# Altium PCB COEX PDB PCB.PcbDoc
Units mm, origin at the board's own origin, x right, y up, seen from the top; angles counter-clockwise.
Board outline 35 x 35.01 mm, 4 copper layers (Top L, IL1, IL2, Bot. L), stack 1.131 mm thick; 46 components, 12 nets, 146 pads, 526 vias.
Unrouted connection lines stored in the file: 8.
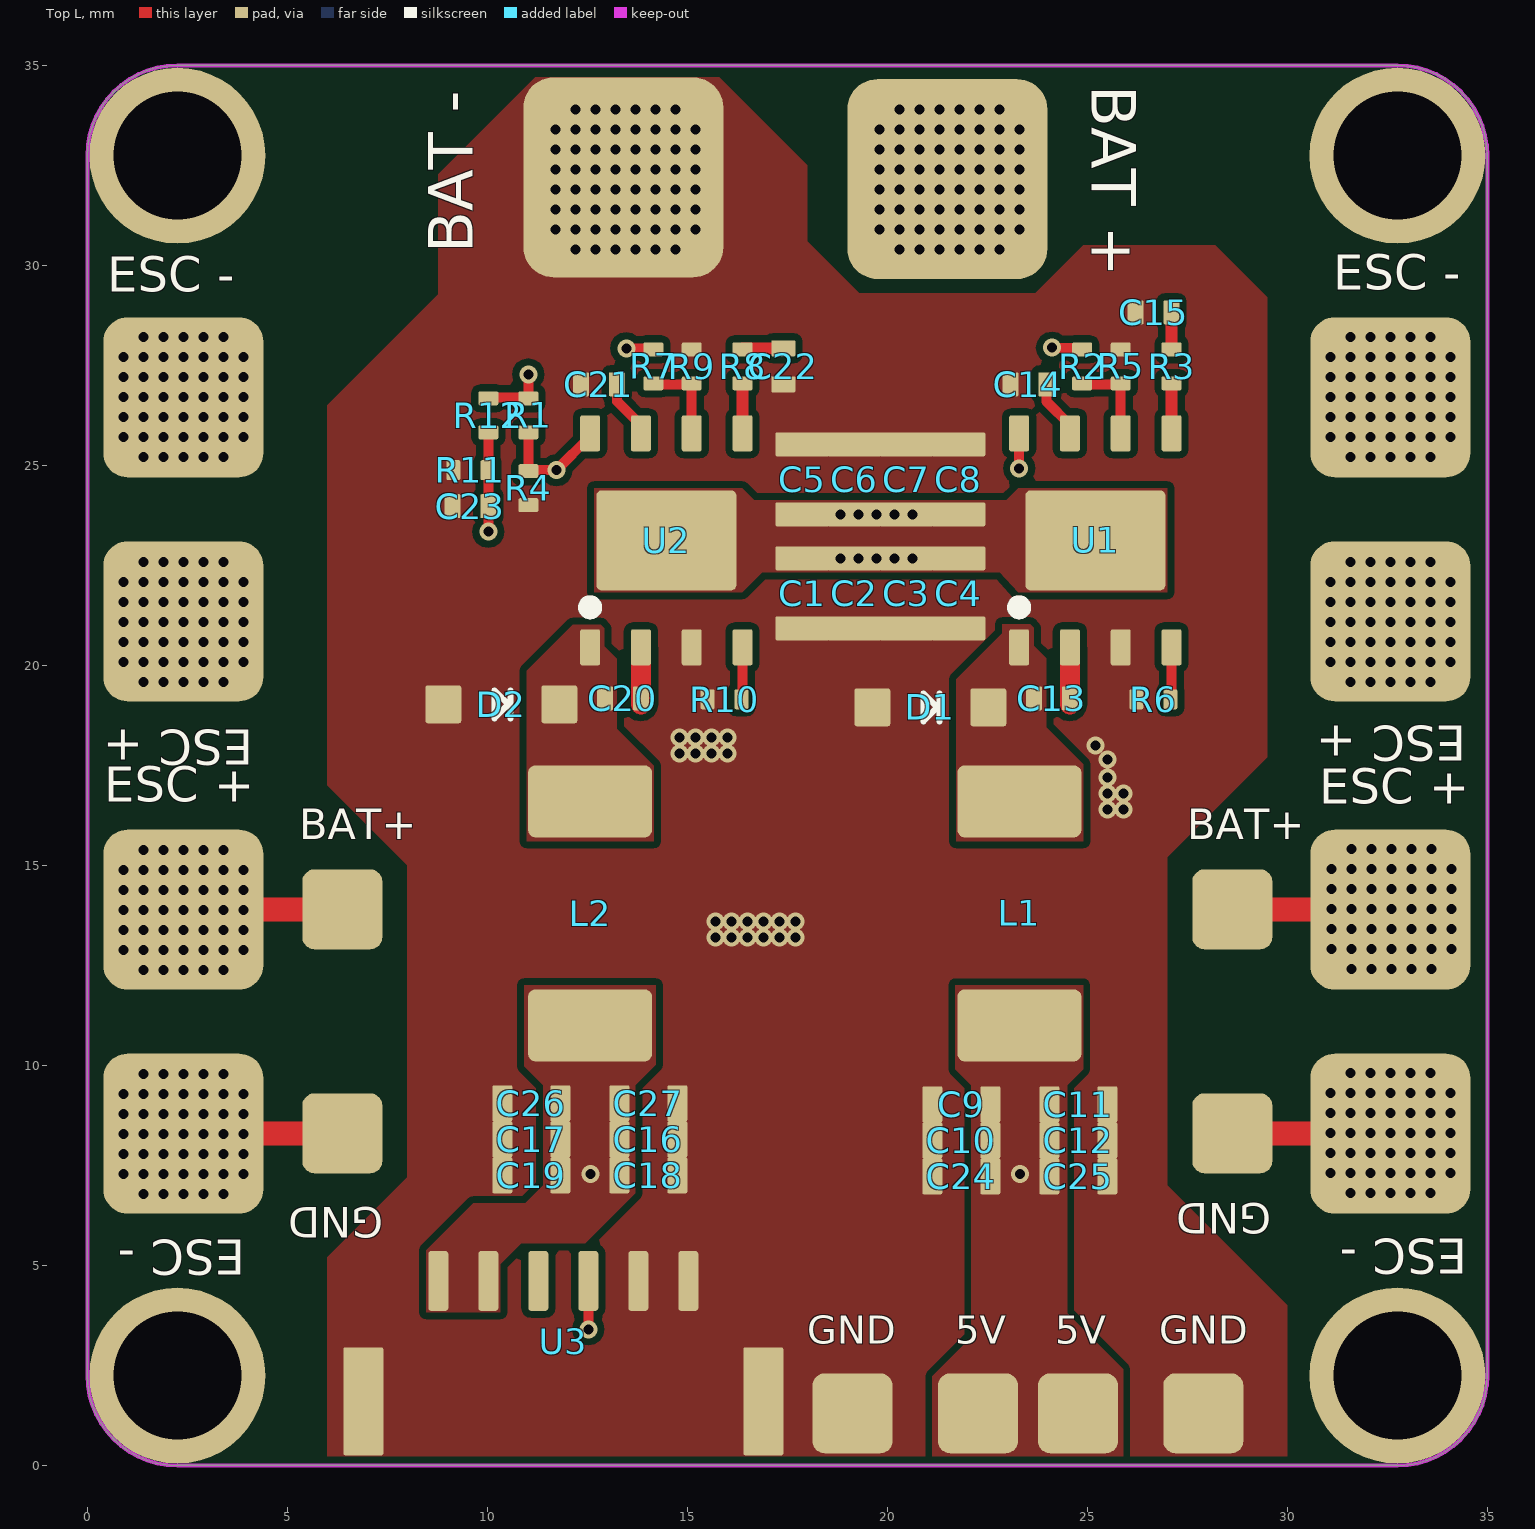
[diagram p0: Top L view]
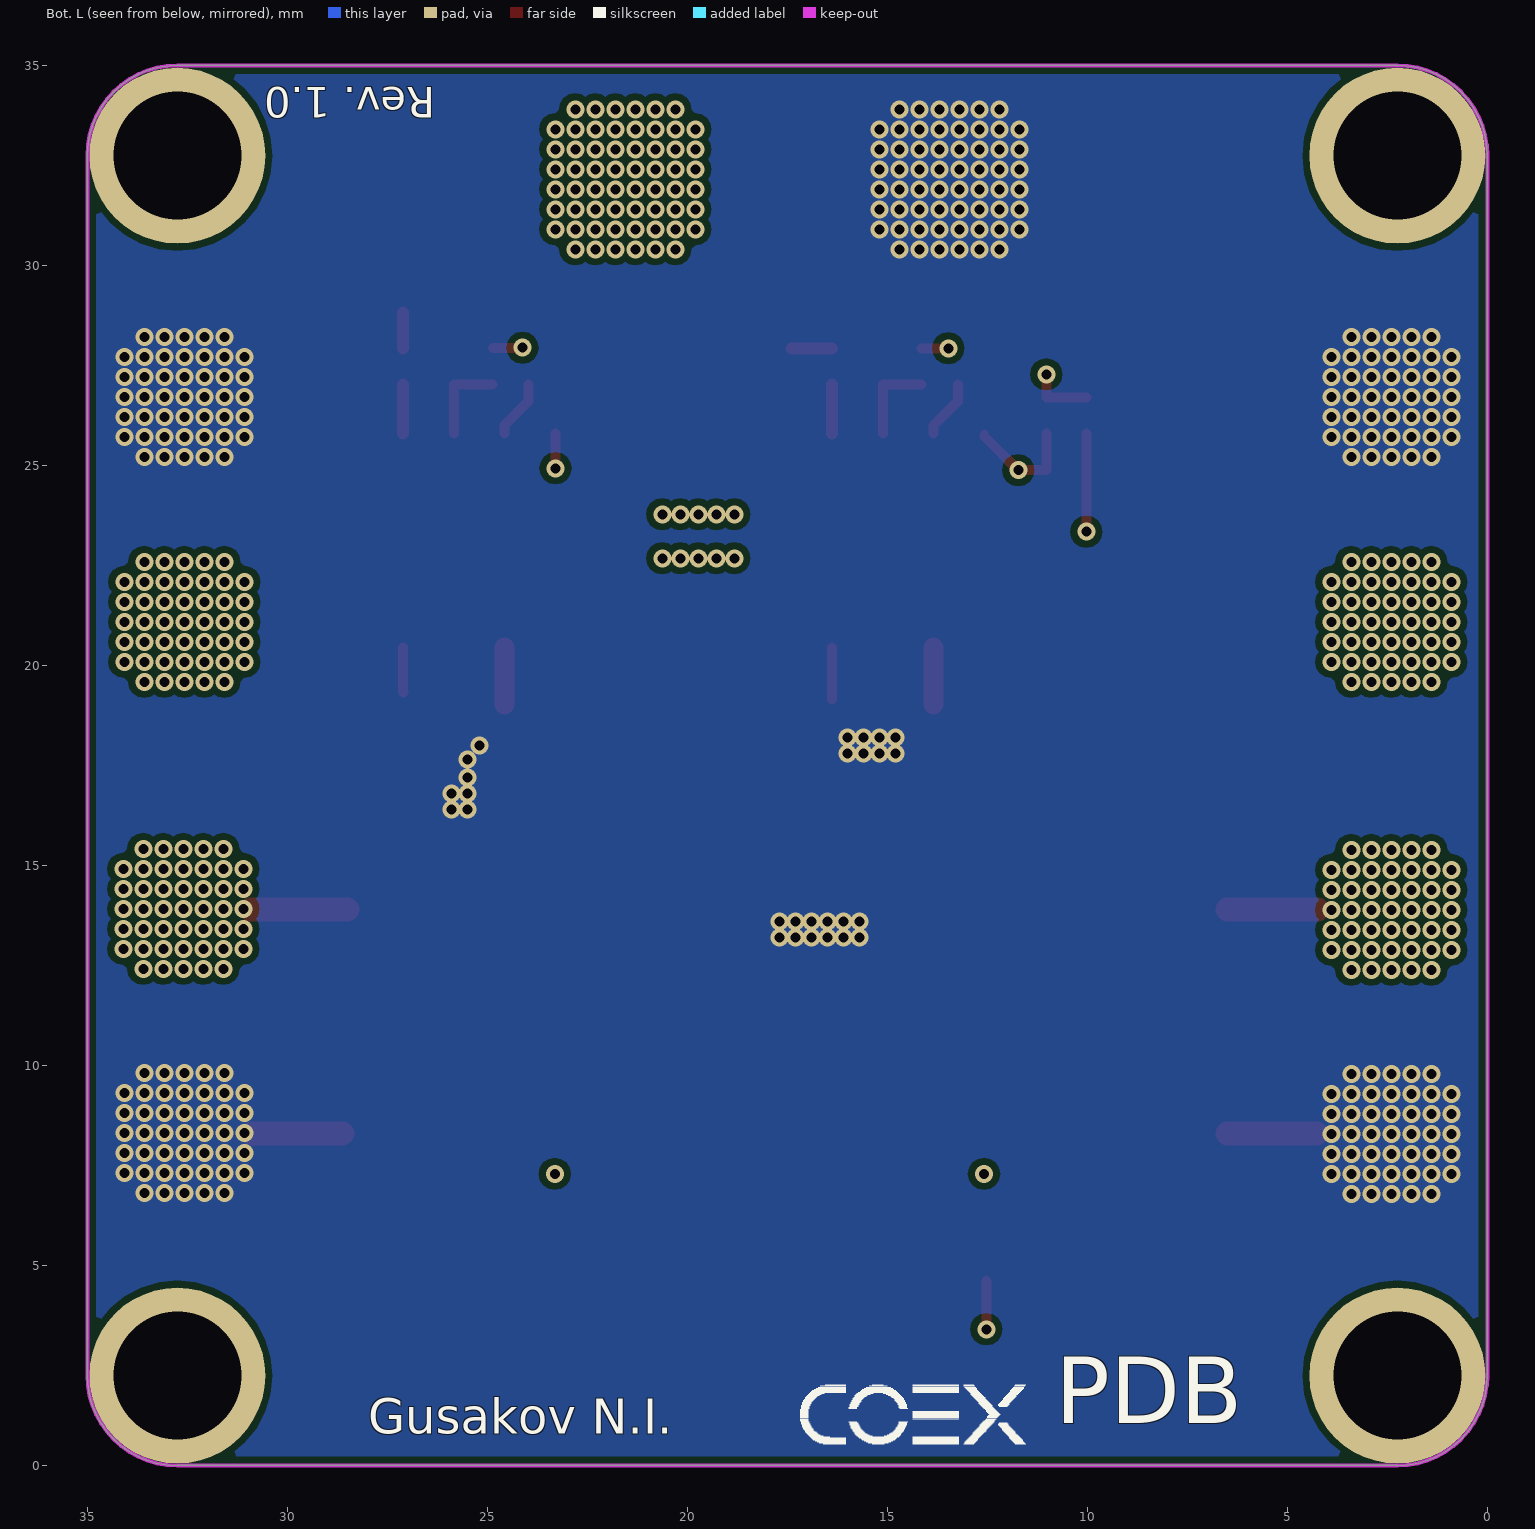
[diagram p1: Bot. L view, seen from below]
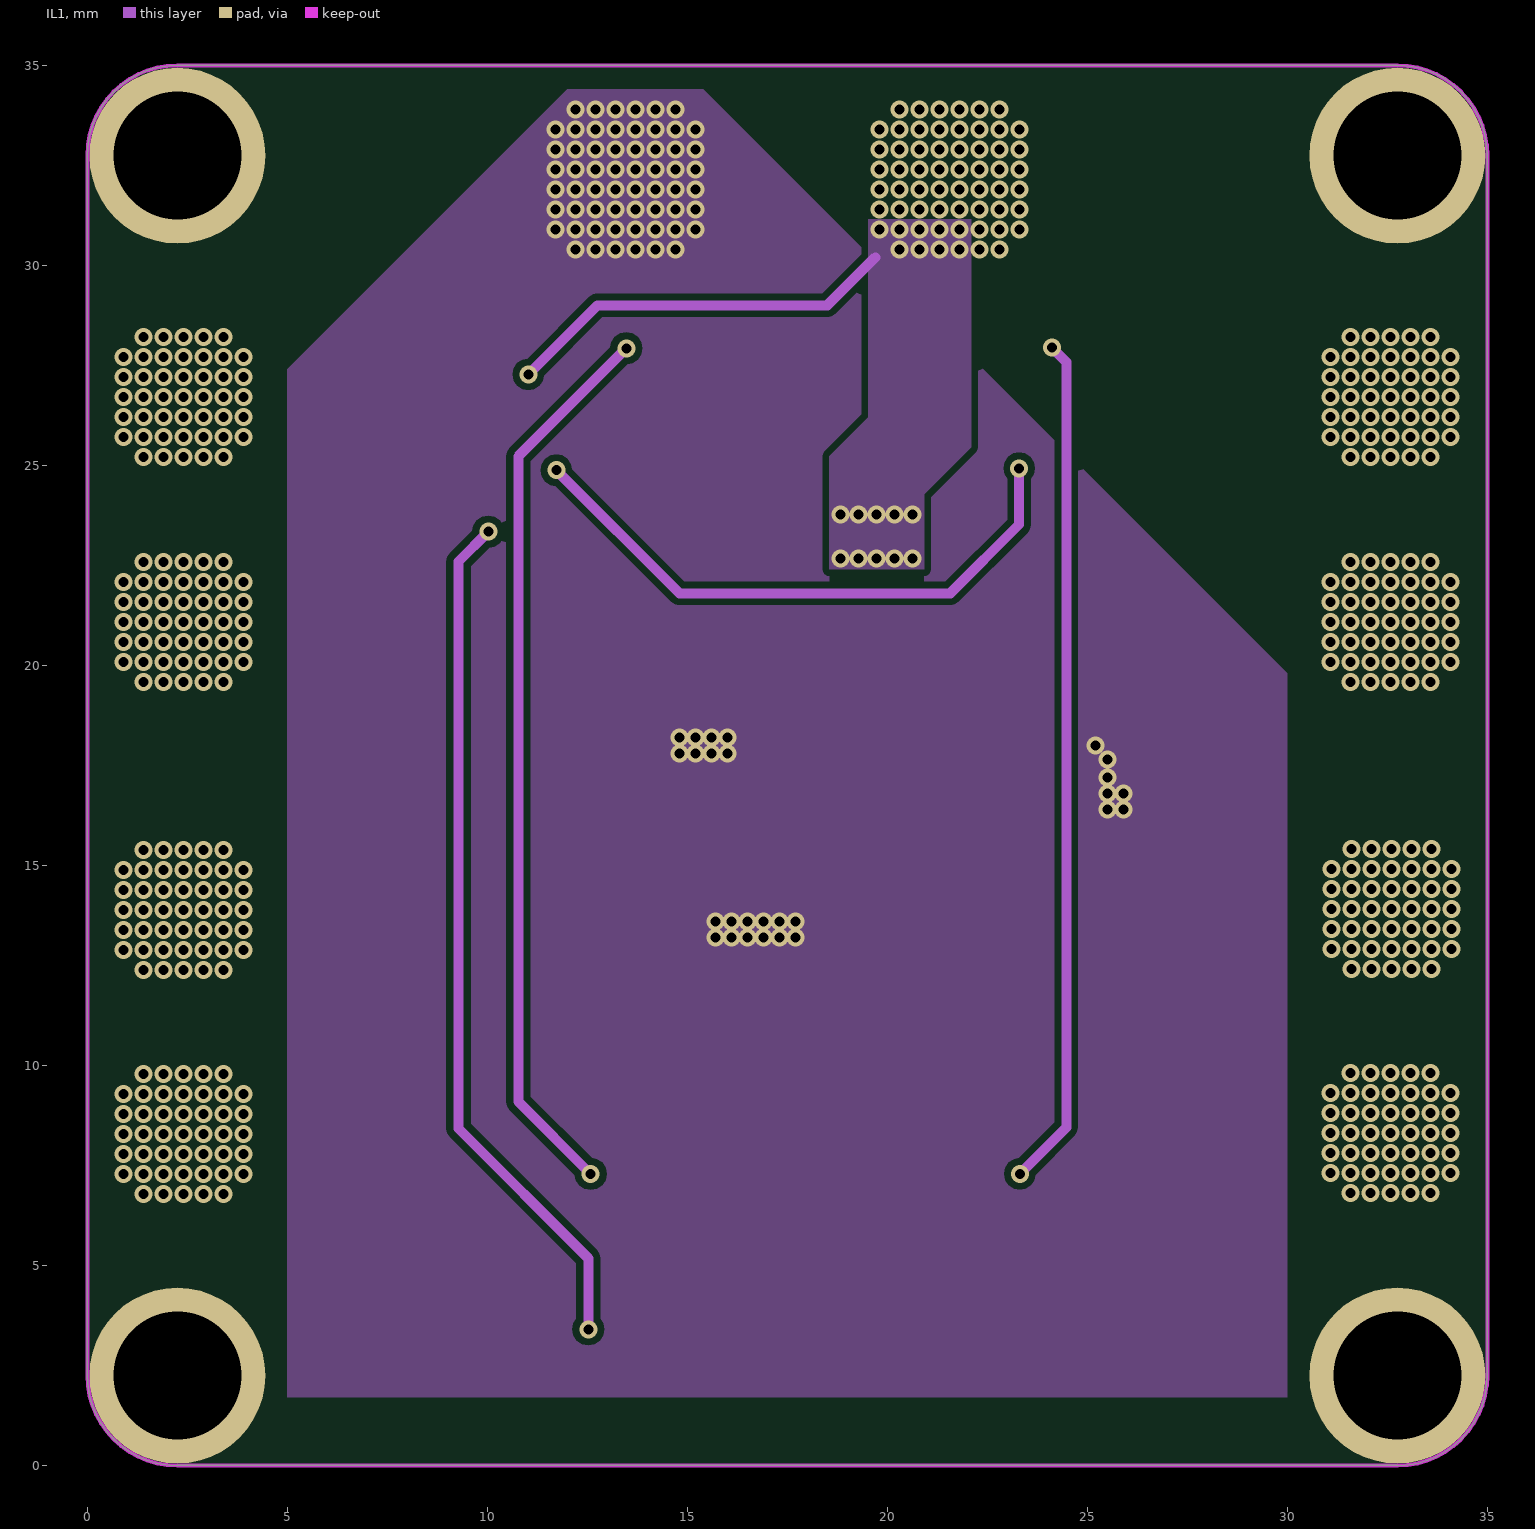
[diagram p2: IL1]
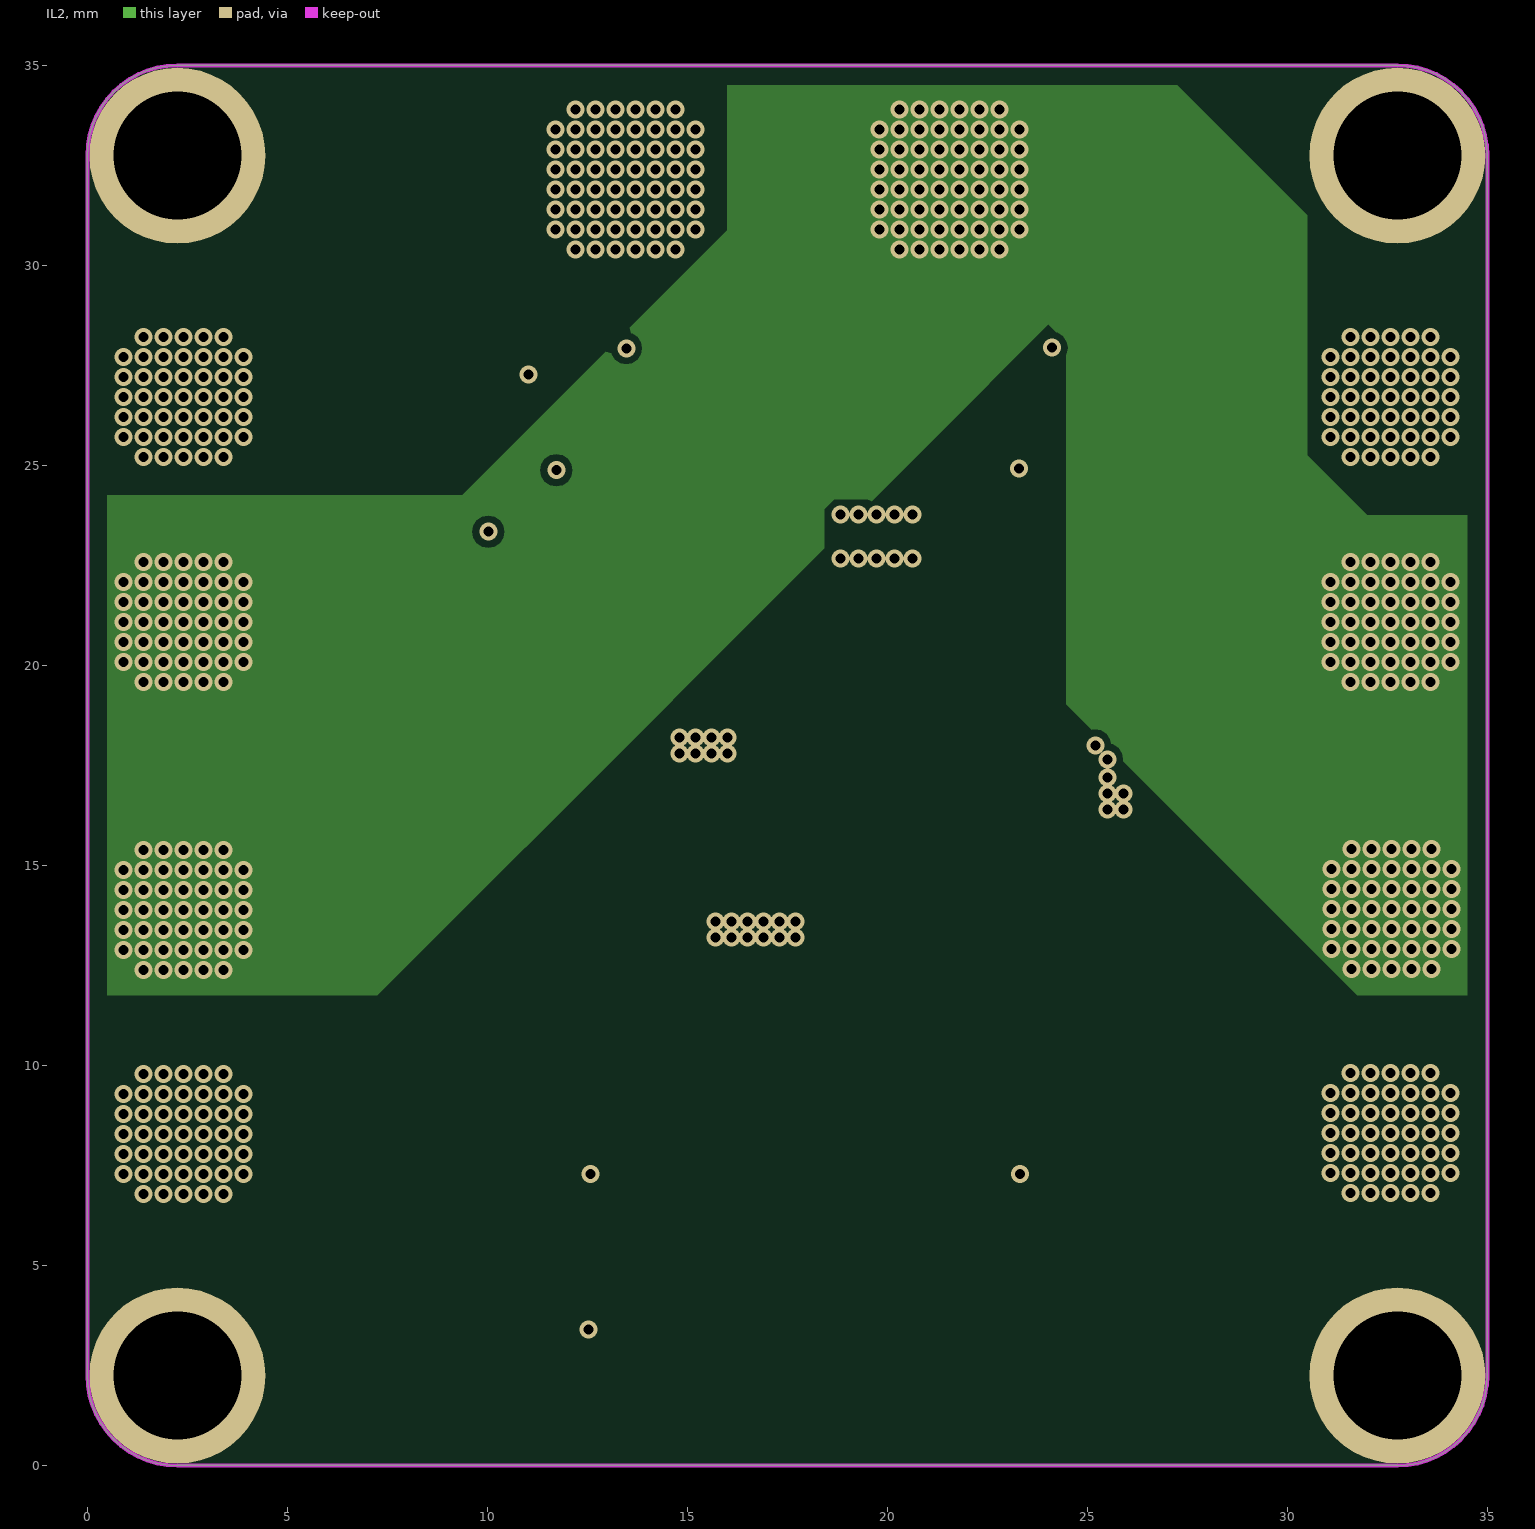
[diagram p3: IL2]
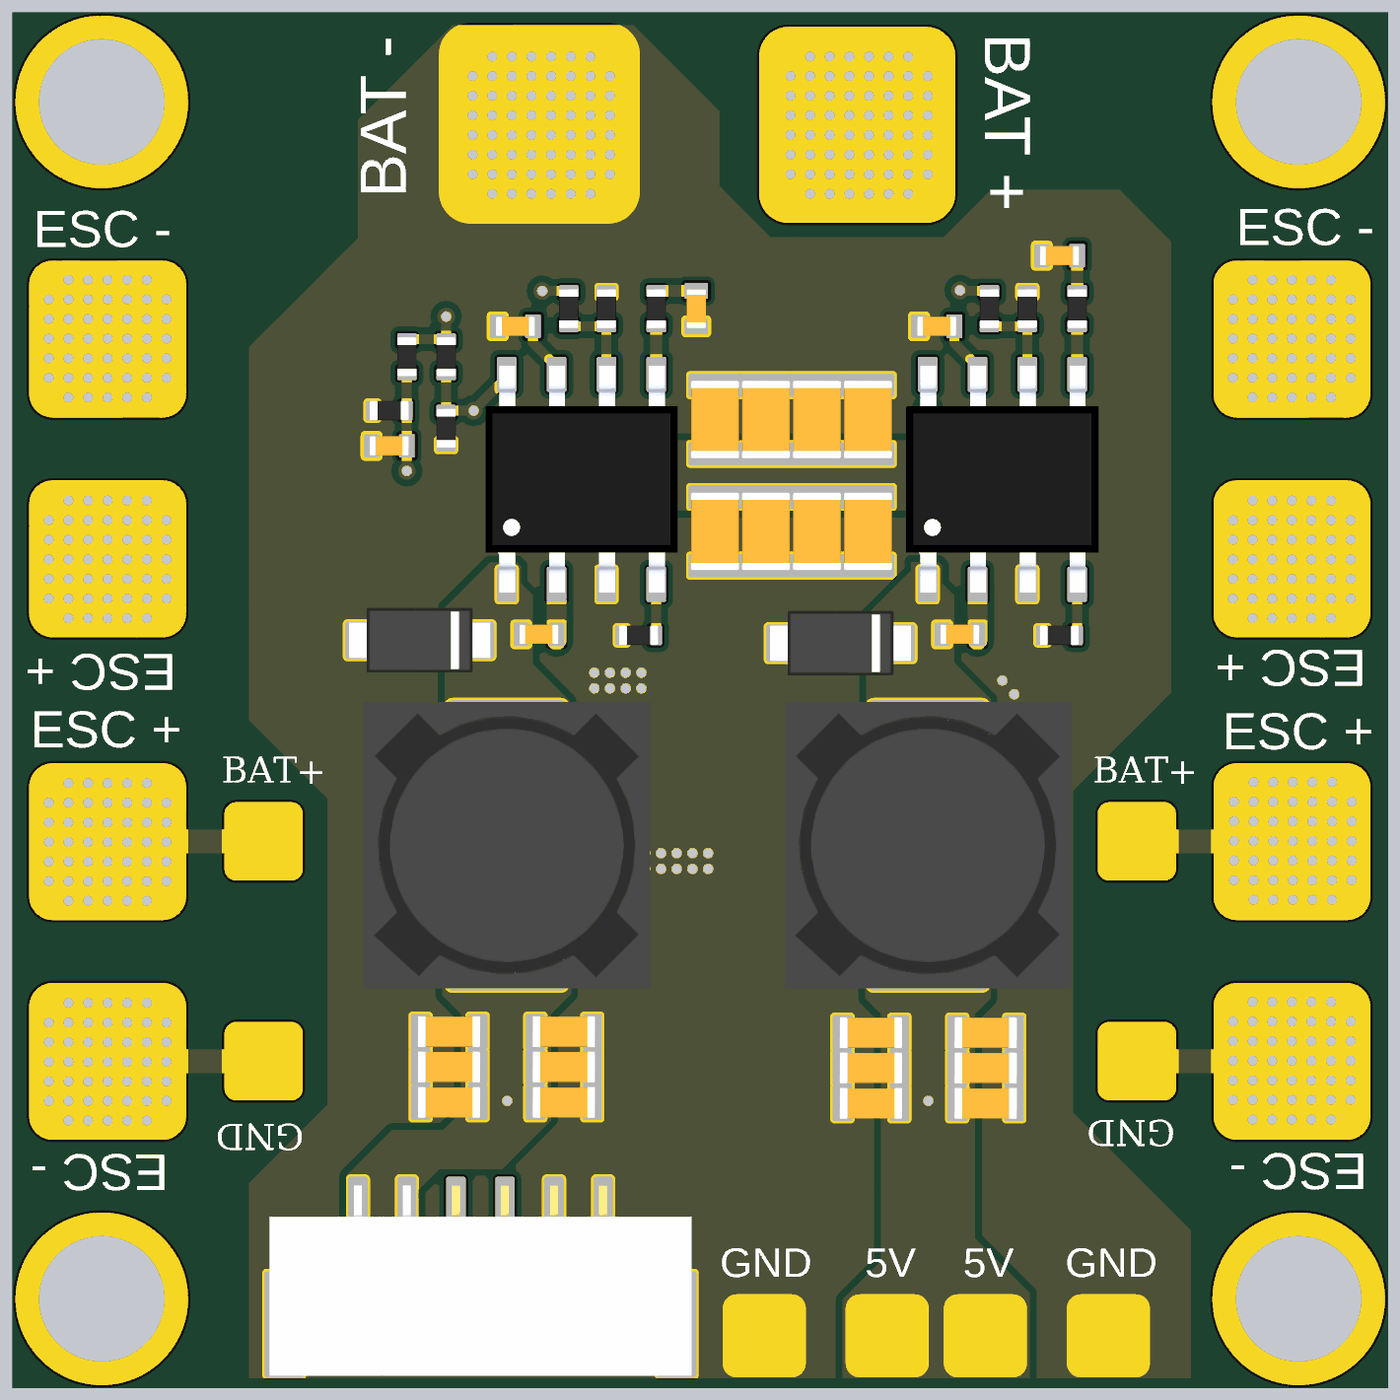
[diagram p4: 3D render of the assembled board from above, using the file's embedded part models]

## Layer stack, top to bottom
Top Solder: solder mask 0.0254, SM-001, Dk 3.8
Top L: signal copper 0.035
Prepreg: prepreg 0.2083, PP-022, Dk 4.5
IL1: signal copper 0.0175
Core: core 0.6096, Core-038, Dk 4.6
IL2: signal copper 0.0175
Prepreg2: prepreg 0.2083, PP-022, Dk 4.5
Bot. L: signal copper 0.035
Bottom Solder: solder mask 0.0254, SM-001, Dk 3.8

## Board outline
0,2.243 0,32.743 0,32.75 cw(c2.25,32.75) 2.25,35 32.75,35 cw(c32.75,32.75) 35,32.75 35,32.743 35,2.243 cw(c32.75,2.243) 32.75,-0.007 32.75,0 2.25,0 2.25,-0.007 cw(c2.25,2.243)

## Design rules (kind name [scope] priority, off if disabled: settings)
Clearance [All] p1: gap=0.17 ignorepadtopadclearanceinfootprint=FALSE except(0: Arc-Hole Track-Hole SMDPad-Hole THPad-Hole Via-Hole Fill-Hole Poly-Hole Region-Hole Text-Hole; 0.09: Arc-Arc Arc-Track Arc-SMDPad Arc-THPad Track-Track Track-SMDPad Track-THPad SMDPad-SMDPad SMDPad-THPad THPad-THPad; 0.13: Arc-Via Track-Via SMDPad-Via THPad-Via Via-Via; 0.2: Arc-Text Track-Text SMDPad-Text THPad-Text Via-Text Fill-Text Poly-Text Region-Text Text-Text)
DiffPairsRouting [All] p1: maxlimit=0.254 minlimit=0.1 mostfreqgap=0.1 toplayer_minwidth=0.09 toplayer_maxwidth=0.15 toplayer_prefwidth=0.1 midlayer1_minwidth=0.09 midlayer1_maxwidth=0.15 midlayer1_prefwidth=0.1 midlayer2_minwidth=0.09 midlayer2_maxwidth=0.15 midlayer2_prefwidth=0.1 bottomlayer_minwidth=0.09 bottomlayer_maxwidth=0.15 bottomlayer_prefwidth=0.1 maxuncoupledlength=12.7
PlaneClearance [All] p1: clearance=0.17
PlaneConnect [All] p1: planeconnectstyle=Direct reliefexpansion=0.508 reliefentries=4 reliefconductorwidth=0.254 reliefairgap=0.254
PolygonConnect [All] p1: connectstyle=Direct reliefconductorwidth=0.254 reliefentries=4 polygonreliefangle="90 Angle" airgapwidth=0.254
RoutingVias [All] p1: holewidth=0.711 width=1.27 viastyle="Through Hole" minholewidth=0.711 minwidth=1.27 maxholewidth=0.711 maxwidth=1.27
SolderMaskExpansion [All] p1: expansion=0.06 istentingtop=FALSE
UnRoutedNet [All] p1: checkbadconnections=TRUE
Width [All] p1: maxlimit=2 minlimit=0.09 preferedwidth=0.2 minimp=50.000000 maximp=50.000000 favimp=50.000000
26 further rules are at their usual default settings.

## Components (designator, comment, footprint, x,y, rotation, side; value= is the part's Value field where it differs from the comment)
C1 "10uf" "Capasitor 0805" 17.875,21.8 r90 top
C2 "10uf" "Capasitor 0805" 19.175,21.8 r90 top
C3 "10uf" "Capasitor 0805" 20.475,21.8 r90 top
C4 "10uf" "Capasitor 0805" 21.775,21.8 r90 top
C5 "10uf" "Capasitor 0805" 17.875,24.65 r270 top
C6 "10uf" "Capasitor 0805" 19.175,24.65 r270 top
C7 "10uf" "Capasitor 0805" 20.475,24.65 r270 top
C8 "10uf" "Capasitor 0805" 21.775,24.65 r270 top
C9 "22uf" "Capasitor 0603" 21.85,9.025 r0 top
C10 "22uf" "Capasitor 0603" 21.85,8.125 r0 top
C11 "22uf" "Capasitor 0603" 24.775,9.025 r180 top
C12 "22uf" "Capasitor 0603" 24.775,8.125 r180 top
C13 "100nf" "Capasitor 0402" 24.115,19.175 r180 top
C14 "100nf" "Capasitor 0402" 23.525,27.025 r180 top
C15 "330pf" "Capasitor 0402" 26.655,28.825 r180 top
C16 "22uf" "Capasitor 0603" 14.025,8.15 r180 top
C17 "22uf" "Capasitor 0603" 11.1,8.15 r0 top
C18 "22uf" "Capasitor 0603" 14.025,7.25 r180 top
C19 "22uf" "Capasitor 0603" 11.1,7.25 r0 top
C20 "100nf" "Capasitor 0402" 13.39,19.175 r180 top
C21 "100nf" "Capasitor 0402" 12.789,27.025 r180 top
C22 "330pf" "Capasitor 0402" 17.4,27.475 r270 top
C23 "100nf" "Capasitor 0402" 9.575,23.978 r0 top
C24 "22uf" "Capasitor 0603" 21.85,7.225 r0 top
C25 "22uf" "Capasitor 0603" 24.775,7.225 r180 top
C26 "22uf" "Capasitor 0603" 11.1,9.05 r0 top
C27 "22uf" "Capasitor 0603" 14.025,9.05 r180 top
D1 "*" SOD-123FL 21.075,18.95 r270 top
D2 "*" SOD-123FL 10.35,19.025 r270 top
L1 "TMPA0603S-3R3MN-D" "Inductor SMD 7.1x6.6" 23.3,13.8 r270 top value=3.3uh
L2 "TMPA0603S-3R3MN-D" "Inductor SMD 7.1x6.6" 12.57,13.8 r270 top value=3.3uh
R1 "10k" "Resistor 0402" 11.025,26.25 r90 top
R2 "56k" "Resistor 0402" 24.869,27.475 r90 top
R3 "8.45k" "Resistor 0402" 27.105,27.475 r90 top
R4 "2.2k" "Resistor 0402" 11.025,24.428 r270 top
R5 "10k" "Resistor 0402" 25.835,27.475 r270 top
R6 "21k" "Resistor 0402" 26.65,19.15 r180 top
R7 "56k" "Resistor 0402" 14.15,27.475 r90 top
R8 "8.45k" "Resistor 0402" 16.38,27.475 r270 top
R9 "10k" "Resistor 0402" 15.11,27.475 r270 top
R10 "21k" "Resistor 0402" 15.93,19.15 r180 top
R11 "1k" "Resistor 0402" 9.575,24.878 r0 top
R12 "10k" "Resistor 0402" 10.025,26.25 r270 top
U1 "AOZ1284" "SOIC-8 (Thermal pad)" 25.2,23.125 r90 top
U2 "AOZ1284" "SOIC-8 (Thermal pad)" 14.475,23.125 r90 top
U3 "SM06B-GHS-TB" "JST-GH 6 PIN" 11.9,2.634 r180 top

## Footprints (in the part's own frame and the unit in brackets; to place one, negate y for a bottom-side part, rotate by r counter-clockwise, add the part's x,y. Pads: shape width x height; smd on the part's side, far side on the other; paste and mask are expansions set on the pad)
"Capasitor 0402" [mm]
  rrect15% 0.4x0.6 smd mask+0.08: 1(-0.45,0) 2(0.45,0)
  body extent -0.5,-0.25 0.5,0.25, height 0.45
"Capasitor 0603" [mm]
  rrect15% 0.5x0.9 smd: 1(-0.725,0) 2(0.725,0)
  body extent -0.8,-0.4 0.8,0.4, height 0.8
"Capasitor 0805" [mm]
  rrect15% 0.6x1.35 smd: 1(-0.875,0) 2(0.875,0)
  body extent -1,-0.62 1,0.63, height 1.25
"Inductor SMD 7.1x6.6" [mm]
  rrect20% 1.8x3.1 smd: 1(-2.8,0) 2(2.8,0)
  body extent -3.65,-3.65 3.65,3.65, height 3.2
"JST-GH 6 PIN" [mm]
  rrect30% 0.5x1.5 smd: 1(3.125,-1.975) 2(1.875,-1.975) 3(0.625,-1.975) 4(-0.625,-1.975) 5(-1.875,-1.975) 6(-3.125,-1.975)
  rrect10% 1x2.7 smd: 7(-5,1.034) 7(5,1.034)
  body extent -5.38,-2.5 5.37,2.35, height 4.25
"Resistor 0402" [mm]
  rrect25% 0.35x0.5 smd: 1(-0.425,0) 2(0.425,0)
  body extent -0.5,-0.25 0.5,0.25, height 0.35
SOD-123FL [mm]
  rrect15% 0.95x0.9 smd: 1(0,1.45) 2(0,-1.45)
  silkscreen extent -0.35,-0.18 0.35,0.23, body extent -0.83,-1.8 0.82,1.8, height 0.95
"SOIC-8 (Thermal pad)" [mm]
  rrect20% 0.9x0.5 smd: 1(-2.675,1.905) 2(-2.675,0.635) 3(-2.675,-0.635) 4(-2.675,-1.905) 5(2.675,-1.905) 6(2.675,-0.635) 7(2.675,0.635) 8(2.675,1.905)
  rrect30% 0.9x0.9 on Top Paste: 4(-0.575,1.125) 4(-0.575,0) 4(-0.575,-1.125) 4(0.575,1.125) 4(0.575,0) 4(0.575,-1.125)
  rrect10% 2.5x3.5 smd paste-5: 9(0,0)
  silkscreen extent -1.83,1.75 -1.52,2.06, body extent -2.89,-2.45 2.89,2.45, height 1.45

## Part data
C1 C2 C3 C4 C5 C6 C7 C8: library part "Capacitor MLCC", "Multilayer Ceramic Capacitors MLCC - SMD/SMT 10uF 35V 0805", Component package=0805, Manufacturer="Murata Electronics", Part number=GRM21BR6YA106KE43L, HelpURL=https://lcsc.com/product-detail/Multilayer-Ceramic-Capacitors-MLCC-SMD-SMT_MuRata_GRM21BR6YA106KE43L_10uF-106-10-35V_C162422.html
C9 C10 C11 C12 C16 C17 C18 C19 C24 C25 C26 C27: library part "Capacitor MLCC", "Multilayer Ceramic Capacitors MLCC - SMD/SMT 22uF 10V 0603", Component package=0603, Manufacturer="Samsung Electro-Mechanics", Part number=CL10A226MP8NUNE, HelpURL=https://lcsc.com/product-detail/Multilayer-Ceramic-Capacitors-MLCC-SMD-SMT_SAMSUNG_CL10A226MP8NUNE_22uF-226-20-10V_C86295.html
C13 C14 C20 C21 C23: library part "Capacitor MLCC", "Multilayer Ceramic Capacitors MLCC - SMD/SMT 100nF 25V 0402", Component package=0402, Manufacturer="Guangdong Fenghua Advanced Tech", Part number=0402B104J250NT, HelpURL=https://lcsc.com/product-detail/Others_Guangdong-Fenghua-Advanced-Tech-0402B104J250NT_C301928.html
C15 C22: library part "Capacitor MLCC", "Multilayer Ceramic Capacitors MLCC - SMD/SMT 330pF 50V 0402", Component package=0402, Manufacturer=YAGEO, Part number=CC0402JRNPO9BN331, HelpURL=https://lcsc.com/product-detail/Multilayer-Ceramic-Capacitors-MLCC-SMD-SMT_YAGEO-CC0402JRNPO9BN331_C107006.html
D1 D2: library part "Schottky barrier diode", "Schottky Barrier Diodes (SBD) SOD-123", Component package=SOD-123, Manufacturer="Microdiode Electronics", Part number=DSK34, HelpURL=https://lcsc.com/product-detail/Schottky-Barrier-Diodes-SBD_MDD-Microdiode-Electronics-DSK34_C41029.html
L1 L2: library part "FB / Inductor", "Power Inductors 3.3uH ±20% 6.5A SMD,7.1x6.6x2.8mm", Component package=SMD,7.1x6.6x2.8mm, Manufacturer=TAITEC, HelpURL=https://lcsc.com/product-detail/Power-Inductors_TAITEC-TMPA0603S-3R3MN-D_C305190.html, Part number=TMPA0603S-3R3MN-D
R1 R5 R9 R12: library part Resistor, "Chip Resistor - Surface Mount 10KOhms ±1% 1/16W 0402", Component package=0402, Manufacturer=YAGEO, Part number=RC0402FR-0710KL, HelpURL=https://lcsc.com/product-detail/Chip-Resistor-Surface-Mount_10KR-1002-1_C60490.html
R2 R7: library part Resistor, "Chip Resistor - Surface Mount 56KOhms ±1% 1/16W 0402", Component package=0402, Manufacturer=YAGEO, Part number=RC0402FR-0756KL, HelpURL=https://lcsc.com/product-detail/Chip-Resistor-Surface-Mount_56KR-5602-1_C114756.html
R3 R8: library part Resistor, "Chip Resistor - Surface Mount 8.45KOhms ±1% 1/16W 0402", Component package=0402, Manufacturer="Uniroyal Elec", Part number=0402WGF8451TCE, HelpURL=https://lcsc.com/product-detail/Chip-Resistor-Surface-Mount_Uniroyal-Elec-0402WGF8451TCE_C270579.html
R4: library part Resistor, "Chip Resistor - Surface Mount 2.2KOhms ±1% 1/16W 0402", Component package=0402, Manufacturer=YAGEO, Part number=RC0402FR-072K2L, HelpURL=https://lcsc.com/product-detail/Chip-Resistor-Surface-Mount_2-2KR-2201-1_C114762.html
R6 R10: library part Resistor, "Chip Resistor - Surface Mount 21KOhms ±1% 1/16W 0402", Component package=0402, Manufacturer=YAGEO, Part number=RC0402FR-0721KL, HelpURL=https://lcsc.com/product-detail/Chip-Resistor-Surface-Mount_21KR-2102-1_C185441.html
R11: library part Resistor, "Chip Resistor - Surface Mount 1KOhms ±1% 1/16W 0402", Component package=0402, Manufacturer=YAGEO, Part number=RC0402FR-071KL, HelpURL=https://lcsc.com/product-detail/Chip-Resistor-Surface-Mount_1KR-1001-1_C106235.html
U1 U2: "DC-DC Converters Step-Down Adjustable 1 3V 36V 0.8V 30V 4A SOP-8_EP_150mil", Component package=SOT23-5, Manufacturer="Alpha and omega", HelpURL=https://lcsc.com/product-detail/DC-DC-Converters_AOS_AOZ1284PI_AOZ1284PI_C48060.html, Part number=AOZ1284
U3: library part "JST-GH 6", Manufacturer="JST Sales America", HelpURL=https://lcsc.com/product-detail/Wire-To-Board-Wire-To-Wire-Connector_JST-Sales-America_SM06B-GHS-TB-LF-SN_JST-Sales-America-SM06B-GHS-TB-LF-SN_C133065.html, Part number=SM06B-GHS-TB

## Free pads (board coordinates)
  rrect30% 4x4 smd paste-5: 5(2.4,8.294) 5(2.4,13.894) 5(2.4,21.1) 5(2.4,26.7) 5(32.577,8.294) 5(32.577,13.894) 5(32.577,21.1) 5(32.577,26.7)
  rrect30% 5x5 smd paste-5: 5(13.4,32.2) 5(21.5,32.158)
  rrect30% 2x2 smd paste-5: 5(19.13,1.3) 5(22.265,1.3) 5(24.765,1.3) 5(27.9,1.3) 6(6.375,8.3) 6(6.375,13.9) 6(28.625,8.3) 6(28.625,13.9)
  round 4.4 hole 3.2: M3(2.25,2.243) M3(2.25,32.743) M3(32.75,2.243) M3(32.75,32.743)

## Via types
v1: diameter 0.45, hole 0.25, Top L to Bot. L, tented both sides, 526 vias

## Nets (pads, with @x,y where several pads share a name; then routed paths per layer and width w, separated by ;. In a path a pad name is that pad's centre, name@x,y a point inside that pad or via, vN(x,y) a via of type N, cw(c..) or ccw(c..) an arc to the next point about the centre after c; other vN are vias at no path point)
5V_PX: C16.2 C17.2 C18.2 C19.2 C26.2 C27.2 L2.2 R7.2 U3.1 U3.2 | length 23.2
  Top L w0.25: v1(13.475,27.925) R7.2@14.15,27.925
  IL1 w0.25: v1(12.583,7.286) 10.775,9.094 10.775,25.225 v1(13.475,27.925)
5V_RPi: C9.2 C10.2 C11.2 C12.2 C24.2 C25.2 L1.2 pad.5@22.265,1.3 pad.5@24.765,1.3 R2.2 | length 22
  Top L w0.2: v1(24.118,27.94) v1@24.126,27.933 ; R2.2@24.862,27.933 R2.2@24.869,27.925
  Top L w0.25: v1@24.126,27.933 R2.2@24.862,27.933
  IL1 w0.25: v1(23.312,7.286) 24.475,8.449 24.475,27.583 v1(24.118,27.94)
BST: C13.1 C20.1 U1.2 U2.2 | length 2.9
  Top L w0.5: C20.1@13.84,19.025 C20.1 U2.2 ; C13.1@24.565,19.025 C13.1 U1.2
COMP: C15.1 C22.1 R3.1 R3.2 R8.1 R8.2 U1.5 U2.5 | length 4.4
  Top L w0.2: U2.5 U2.5@16.39,25.81
  Top L w0.3: U2.5 R8.2@16.38,27.025 ; R8.1@16.38,27.925 C22.1 ; U1.5 R3.1@27.105,27.025 ; R3.2@27.105,27.925 C15.1
Enable: R1.1 R4.1 U1.8 U2.8 | length 18.7
  Top L w0.2: U2.8@12.57,25.722 U2.8
  Top L w0.25: R1.1@11.025,25.8 11.025,24.878 v1(11.725,24.878) U2.8@12.57,25.722 ; v1(23.295,24.925) U1.8
  IL1 w0.25: v1(11.725,24.878) 14.803,21.8 21.575,21.8 23.295,23.52 v1(23.295,24.925)
FB: R2.1 R5.2 R7.1 R9.2 U1.6 U2.6 | length 4.4
  Top L w0.25: R7.1@14.15,27.025 15.11,27.025 U2.6 ; R2.1@24.87,27.025 R5.2@25.835,27.025 ; U1.6 R5.2@25.835,27.025
FSW: R6.1 R10.1 U1.4@27.105,20.45 U2.4@16.38,20.45 | length 2.4
  Top L w0.25: R10.1@16.38,19.15 U2.4@16.38,20.45 ; R6.1@27.1,19.325 27.105,19.33 U1.4@27.105,20.45
GND: C1.1 C2.1 C3.1 C4.1 C5.1 C6.1 C7.1 C8.1 C9.1 C10.1 C11.1 C12.1 C14.2 C15.2 C16.1 C17.1 C18.1 C19.1 C21.2 C22.2 C23.1 C24.1 C25.1 C26.1 C27.1 D1.2 D2.2 pad.5@2.4,8.294 pad.5@2.4,26.7 pad.5@13.4,32.2 pad.5@19.13,1.3 pad.5@27.9,1.3 pad.5@32.577,8.294 pad.5@32.577,26.7 pad.6@6.375,8.3 pad.6@28.625,8.3 R4.2 R5.1 R6.2 R9.1 R10.2 R11.1 U1.3 U2.3 U3.5 U3.6 U3.7 | length 4.5
  Top L w0.6: pad.5@4.275,8.3 pad.6@6.5,8.3 ; pad.6@28.625,8.3 pad.5@30.9,8.3
  other v1: 1.4,6.786 1.9,6.786 2.4,6.786 2.9,6.786 3.4,6.786 31.575,6.811 32.075,6.811 32.575,6.811 33.075,6.811 33.575,6.811 0.9,7.286 1.4,7.286 1.9,7.286 2.4,7.286 2.9,7.286 3.4,7.286 3.9,7.286 31.075,7.311 31.575,7.311 32.075,7.311 32.575,7.311 33.075,7.311 33.575,7.311 34.075,7.311 0.9,7.786 1.4,7.786 1.9,7.786 2.4,7.786 2.9,7.786 3.4,7.786 3.9,7.786 31.075,7.811 31.575,7.811 32.075,7.811 32.575,7.811 33.075,7.811 33.575,7.811 34.075,7.811 0.9,8.286 1.4,8.286 1.9,8.286 2.4,8.286 2.9,8.286 3.4,8.286 3.9,8.286 31.075,8.311 31.575,8.311 32.075,8.311 32.575,8.311 33.075,8.311 33.575,8.311 34.075,8.311 0.9,8.786 1.4,8.786 1.9,8.786 2.4,8.786 2.9,8.786 3.4,8.786 3.9,8.786 31.075,8.811 31.575,8.811 32.075,8.811 32.575,8.811 33.075,8.811 33.575,8.811 34.075,8.811 0.9,9.286 1.4,9.286 1.9,9.286 2.4,9.286 2.9,9.286 3.4,9.286 3.9,9.286 31.075,9.311 31.575,9.311 32.075,9.311 32.575,9.311 33.075,9.311 33.575,9.311 34.075,9.311 1.4,9.786 1.9,9.786 2.4,9.786 2.9,9.786 3.4,9.786 31.575,9.811 32.075,9.811 32.575,9.811 33.075,9.811 33.575,9.811 15.7,13.2 16.1,13.2 16.5,13.2 16.9,13.2 17.3,13.2 17.7,13.2 15.7,13.6 16.1,13.6 16.5,13.6 16.9,13.6 17.3,13.6 17.7,13.6 25.5,16.4 25.9,16.4 25.5,16.8 25.9,16.8 25.5,17.2 25.5,17.65 14.8,17.8 15.2,17.8 15.6,17.8 16,17.8 25.2,18 14.8,18.2 15.2,18.2 15.6,18.2 16,18.2 1.4,25.211 1.9,25.211 2.4,25.211 2.9,25.211 3.4,25.211 31.575,25.211 32.075,25.211 32.575,25.211 33.075,25.211 33.575,25.211 0.9,25.711 1.4,25.711 1.9,25.711 2.4,25.711 2.9,25.711 3.4,25.711 3.9,25.711 31.075,25.711 31.575,25.711 32.075,25.711 32.575,25.711 33.075,25.711 33.575,25.711 34.075,25.711 0.9,26.211 1.4,26.211 1.9,26.211 2.4,26.211 2.9,26.211 3.4,26.211 3.9,26.211 31.075,26.211 31.575,26.211 32.075,26.211 32.575,26.211 33.075,26.211 33.575,26.211 34.075,26.211 0.9,26.711 1.4,26.711 1.9,26.711 2.4,26.711 2.9,26.711 3.4,26.711 3.9,26.711 31.075,26.711 31.575,26.711 32.075,26.711 32.575,26.711 33.075,26.711 33.575,26.711 34.075,26.711 0.9,27.211 1.4,27.211 1.9,27.211 2.4,27.211 2.9,27.211 3.4,27.211 3.9,27.211 31.075,27.211 31.575,27.211 32.075,27.211 32.575,27.211 33.075,27.211 33.575,27.211 34.075,27.211 0.9,27.711 1.4,27.711 1.9,27.711 2.4,27.711 2.9,27.711 3.4,27.711 3.9,27.711 31.075,27.711 31.575,27.711 32.075,27.711 32.575,27.711 33.075,27.711 33.575,27.711 34.075,27.711 1.4,28.211 1.9,28.211 2.4,28.211 2.9,28.211 3.4,28.211 31.575,28.211 32.075,28.211 32.575,28.211 33.075,28.211 33.575,28.211 12.2,30.4 12.7,30.4 13.2,30.4 13.7,30.4 14.2,30.4 14.7,30.4 11.7,30.9 12.2,30.9 12.7,30.9 13.2,30.9 13.7,30.9 14.2,30.9 14.7,30.9 15.2,30.9 11.7,31.4 12.2,31.4 12.7,31.4 13.2,31.4 13.7,31.4 14.2,31.4 14.7,31.4 15.2,31.4 11.7,31.9 12.2,31.9 12.7,31.9 13.2,31.9 13.7,31.9 14.2,31.9 14.7,31.9 15.2,31.9 11.7,32.4 12.2,32.4 12.7,32.4 13.2,32.4 13.7,32.4 14.2,32.4 14.7,32.4 15.2,32.4 11.7,32.9 12.2,32.9 12.7,32.9 13.2,32.9 13.7,32.9 14.2,32.9 14.7,32.9 15.2,32.9 11.7,33.4 12.2,33.4 12.7,33.4 13.2,33.4 13.7,33.4 14.2,33.4 14.7,33.4 15.2,33.4 12.2,33.9 12.7,33.9 13.2,33.9 13.7,33.9 14.2,33.9 14.7,33.9
LX: C13.2 C20.2 D1.1 D2.1 L1.1 L2.1 U1.1 U2.1
SS: C14.1 C21.1 U1.7 U2.7 | length 2.9
  Top L w0.25: C21.1 13.239,26.601 13.84,26 U2.7 ; C14.1 23.975,26.6 24.565,26.01 U1.7
Vin: C1.2 C2.2 C3.2 C4.2 C5.2 C6.2 C7.2 C8.2 pad.5@2.4,13.894 pad.5@2.4,21.1 pad.5@21.5,32.158 pad.5@32.577,13.894 pad.5@32.577,21.1 pad.6@6.375,13.9 pad.6@28.625,13.9 R1.2 R12.1 U1.9 U2.9 | length 16.1
  Top L w0.25: R12.1@10.025,26.7 11.025,26.7 v1(11.025,27.273)
  Top L w0.6: pad.5@4.25,13.9 pad.6@6.5,13.9 ; pad.6@28.5,13.9 pad.5@30.925,13.9
  IL1 w0.25: v1(11.025,27.273) 12.752,29 18.5,29 19.7,30.2
  other v1: 1.4,12.386 1.9,12.386 2.4,12.386 2.9,12.386 3.4,12.386 31.6,12.411 32.1,12.411 32.6,12.411 33.1,12.411 33.6,12.411 0.9,12.886 1.4,12.886 1.9,12.886 2.4,12.886 2.9,12.886 3.4,12.886 3.9,12.886 31.1,12.911 31.6,12.911 32.1,12.911 32.6,12.911 33.1,12.911 33.6,12.911 34.1,12.911 0.9,13.386 1.4,13.386 1.9,13.386 2.4,13.386 2.9,13.386 3.4,13.386 3.9,13.386 31.1,13.411 31.6,13.411 32.1,13.411 32.6,13.411 33.1,13.411 33.6,13.411 34.1,13.411 0.9,13.886 1.4,13.886 1.9,13.886 2.4,13.886 2.9,13.886 3.4,13.886 3.9,13.886 31.1,13.911 31.6,13.911 32.1,13.911 32.6,13.911 33.1,13.911 33.6,13.911 34.1,13.911 0.9,14.386 1.4,14.386 1.9,14.386 2.4,14.386 2.9,14.386 3.4,14.386 3.9,14.386 31.1,14.411 31.6,14.411 32.1,14.411 32.6,14.411 33.1,14.411 33.6,14.411 34.1,14.411 0.9,14.886 1.4,14.886 1.9,14.886 2.4,14.886 2.9,14.886 3.4,14.886 3.9,14.886 31.1,14.911 31.6,14.911 32.1,14.911 32.6,14.911 33.1,14.911 33.6,14.911 34.1,14.911 1.4,15.386 1.9,15.386 2.4,15.386 2.9,15.386 3.4,15.386 31.6,15.411 32.1,15.411 32.6,15.411 33.1,15.411 33.6,15.411 1.4,19.586 1.9,19.586 2.4,19.586 2.9,19.586 3.4,19.586 31.575,19.586 32.075,19.586 32.575,19.586 33.075,19.586 33.575,19.586 0.9,20.086 1.4,20.086 1.9,20.086 2.4,20.086 2.9,20.086 3.4,20.086 3.9,20.086 31.075,20.086 31.575,20.086 32.075,20.086 32.575,20.086 33.075,20.086 33.575,20.086 34.075,20.086 0.9,20.586 1.4,20.586 1.9,20.586 2.4,20.586 2.9,20.586 3.4,20.586 3.9,20.586 31.075,20.586 31.575,20.586 32.075,20.586 32.575,20.586 33.075,20.586 33.575,20.586 34.075,20.586 0.9,21.086 1.4,21.086 1.9,21.086 2.4,21.086 2.9,21.086 3.4,21.086 3.9,21.086 31.075,21.086 31.575,21.086 32.075,21.086 32.575,21.086 33.075,21.086 33.575,21.086 34.075,21.086 0.9,21.586 1.4,21.586 1.9,21.586 2.4,21.586 2.9,21.586 3.4,21.586 3.9,21.586 31.075,21.586 31.575,21.586 32.075,21.586 32.575,21.586 33.075,21.586 33.575,21.586 34.075,21.586 0.9,22.086 1.4,22.086 1.9,22.086 2.4,22.086 2.9,22.086 3.4,22.086 3.9,22.086 31.075,22.086 31.575,22.086 32.075,22.086 32.575,22.086 33.075,22.086 33.575,22.086 34.075,22.086 1.4,22.586 1.9,22.586 2.4,22.586 2.9,22.586 3.4,22.586 31.575,22.586 32.075,22.586 32.575,22.586 33.075,22.586 33.575,22.586 18.825,22.675 19.275,22.675 19.725,22.675 20.175,22.675 20.625,22.675 18.825,23.775 19.275,23.775 19.725,23.775 20.175,23.775 20.625,23.775 20.3,30.4 20.8,30.4 21.3,30.4 21.8,30.4 22.3,30.4 22.8,30.4 19.8,30.9 20.3,30.9 20.8,30.9 21.3,30.9 21.8,30.9 22.3,30.9 22.8,30.9 23.3,30.9 19.8,31.4 20.3,31.4 20.8,31.4 21.3,31.4 21.8,31.4 22.3,31.4 22.8,31.4 23.3,31.4 19.8,31.9 20.3,31.9 20.8,31.9 21.3,31.9 21.8,31.9 22.3,31.9 22.8,31.9 23.3,31.9 19.8,32.4 20.3,32.4 20.8,32.4 21.3,32.4 21.8,32.4 22.3,32.4 22.8,32.4 23.3,32.4 19.8,32.9 20.3,32.9 20.8,32.9 21.3,32.9 21.8,32.9 22.3,32.9 22.8,32.9 23.3,32.9 19.8,33.4 20.3,33.4 20.8,33.4 21.3,33.4 21.8,33.4 22.3,33.4 22.8,33.4 23.3,33.4 20.3,33.9 20.8,33.9 21.3,33.9 21.8,33.9 22.3,33.9 22.8,33.9
VOL_SENS: C23.2 R11.2 R12.2 U3.4 | length 25.3
  Top L w0.25: v1(10.025,23.341) C23.2 10.025,24.878 R12.2@10.025,25.8 ; v1(12.525,3.4) U3.4
  IL1 w0.25: v1(10.025,23.341) 9.28,22.596 9.28,8.42 12.525,5.175 v1(12.525,3.4)
pads on no net: U1.4@24.075,22.55 U1.4@24.075,23.7 U1.4@25.2,22.55 U1.4@25.2,23.7 U1.4@26.325,22.55 U1.4@26.325,23.7 U2.4@13.35,22.55 U2.4@13.35,23.7 U2.4@14.475,22.55 U2.4@14.475,23.7 U2.4@15.6,22.55 U2.4@15.6,23.7 U3.3

## Polygon pours and split planes (outlines as drawn)
GND on Top L "Top Layer-GND" (solid, remove dead copper, pour order 88): 8.775,28.825 8.775,32.275 11.2,34.7 15.8,34.7 18,32.5 18,30.6 19.775,28.825
GND on Top L "Top Layer-GND 1" (solid, remove dead copper, pour order 86): 30,0.1 30,4 27,7 27,15.2 29.5,17.7 29.5,29.2 28.2,30.5 24.9,30.5 23.7,29.3 8.8,29.3 6,26.5 6,17 8,15 8,7.2 6,5.2 6,0.1
5V_RPi on Top L "Top Layer-5V_RPi" (solid, pour order 56): 21.7,12 21.7,9.9 22.1,9.5 22.1,3.2 21.125,2.225 21.125,0.2 25.9,0.2 25.9,2.4 24.5,3.8 24.5,9.5 24.9,9.9 24.9,12
5V_PX on Top L "Top Layer-5V_PX" (solid, pour order 50): 10.925,12 10.925,9.975 11.4,9.5 11.4,7 10.95,6.55 9.65,6.55 8.475,5.375 8.475,3.825 10.325,3.825 10.325,5.025 10.85,5.55 12.45,5.55 13.702,6.802 13.702,9.502 14.21,10.01 14.21,12
Vin on Top L "Top Layer-Vin" (solid, pour order 6): 12.675,24.425 16.375,24.425 16.675,24.125 22.975,24.125 23.275,24.425 27,24.425 27,21.825 23.267,21.825 22.806,22.325 16.875,22.325 16.375,21.825 12.675,21.825
LX on Top L "Top Layer-LX" (solid, remove dead copper, pour order 4): 12.139,21.012 10.989,19.862 10.989,17.387 10.989,15.6 14.164,15.6 14.164,17.486 13.239,18.411 13.239,20.162 12.929,20.472 12.929,21.012
LX on Top L "Top Layer-LX 1" (solid, remove dead copper, pour order 0): 22.875,21.025 22.875,20.8 21.725,19.65 21.725,15.6 24.9,15.6 24.9,17.525 23.975,18.45 23.975,20.175 23.665,20.485 23.665,21.025
GND on IL1 "Signal Layer 1-GND" (solid, pour order 30): 12,34.4 5,27.4 5,1.7 30,1.7 30,19.8 15.4,34.4
Vin on IL1 "Signal Layer 1-Vin" (solid, remove dead copper, pour order 14): 18.55,22.4 20.925,22.4 20.925,24.275 22.1,25.45 22.1,31.15 19.525,31.15 19.525,26.2 18.55,25.225
Vin on IL2 "Inner Layer 2-Vin" (solid, remove dead copper, pour order 60): 16,34.5 16,30.882 9.368,24.25 5.75,24.25 0.5,24.25 0.5,18.5 11.275,18.5 11.775,19 14.5,19 25.5,30 25.5,34.5
Vin on IL2 "Inner Layer 2-Vin 1" (solid, remove dead copper, pour order 70): 0.5,19.25 0.5,11.75 7.25,11.75 14.75,19.25
Vin on IL2 "Inner Layer 2-Vin 2" (solid, remove dead copper, pour order 68): 34.5,11.75 31.75,11.75 24.475,19.025 24.475,28.075 23.665,28.885 23.665,34.5 27.25,34.5 30.5,31.25 30.5,25.25 32,23.75 34.5,23.75
GND on Bot. L "Top Layer-No Net" (solid, remove dead copper, pour order 90): 0,2.243 0,32.743 0,32.75 cw(c2.25,32.75) 2.25,35 32.75,35 cw(c32.75,32.75) 35,32.75 35,32.743 35,2.243 cw(c32.75,2.243) 32.75,-0.007 32.75,0 2.25,0 2.25,-0.007 cw(c2.25,2.243)

## Keep-outs
Keep-Out Layer:
  lines w0.1: 0,32.743 0,2.243 ccw(c2.25,2.243) 2.25,-0.007 ; 0,32.75 cw(c2.25,32.75) 2.25,35 32.75,35 cw(c32.75,32.75) 35,32.75 ; 2.25,0 32.75,0 ; 32.75,-0.007 ccw(c32.75,2.243) 35,2.243 35,32.743

## Other copper
IL2:
  pour cut-out: 18.425,22.9 18.425,23.9 18.675,24.15 19.5,24.15 19.5,22.9
  pour cut-out: 18.607,23
  pour cut-out: 18.598,22.975

## Silkscreen, mask and mechanical layers (free items; w line width, h text height)
Top Overlay:
  text "BAT +" at 24.75,34.5 h1.9 r270
  text "BAT -" at 10,30.3 h1.9 r90
  text "ESC -" at 31.15,29.1 h1.5
  text "ESC -" at 0.5,29.05 h1.5
  text "ESC +" at 34.475,18.775 h1.5 r180
  text "ESC +" at 4.15,18.675 h1.5 r180
  text "ESC +" at 0.425,16.3 h1.5
  text "ESC +" at 30.8,16.25 h1.5
  text "BAT+" at 5.3,15.4 h1.3
  text "BAT+" at 27.5,15.4 h1.3
  text "GND" at 29.6,6.8 h1.3 r180
  text "GND" at 7.4,6.7 h1.3 r180
  text "ESC -" at 34.5,5.95 h1.5 r180
  text "ESC -" at 3.95,5.925 h1.5 r180
  text "GND" at 18,2.8 h1.2
  text "5V" at 21.7,2.8 h1.2
  text "5V" at 24.2,2.8 h1.2
  text "GND" at 26.8,2.8 h1.2
Bottom Overlay:
  drawing of 264 lines, arcs and shapes, not listed
  text "Rev. 1.0" at 26.3,34.7 h1.3 r180
  text "PDB" at 10.8,0.5 h2.85
  text "Gusakov N.I." at 27.975,0.5 h1.5